# Altium PCB Aq1A_Guppy.PcbDoc
Units mm, origin at the board's own origin, x right, y up, seen from the top; angles counter-clockwise.
Board outline 105 x 55 mm, 2 copper layers (Top Layer, Bottom Layer); 45 components, 39 nets, 166 pads, 79 vias.
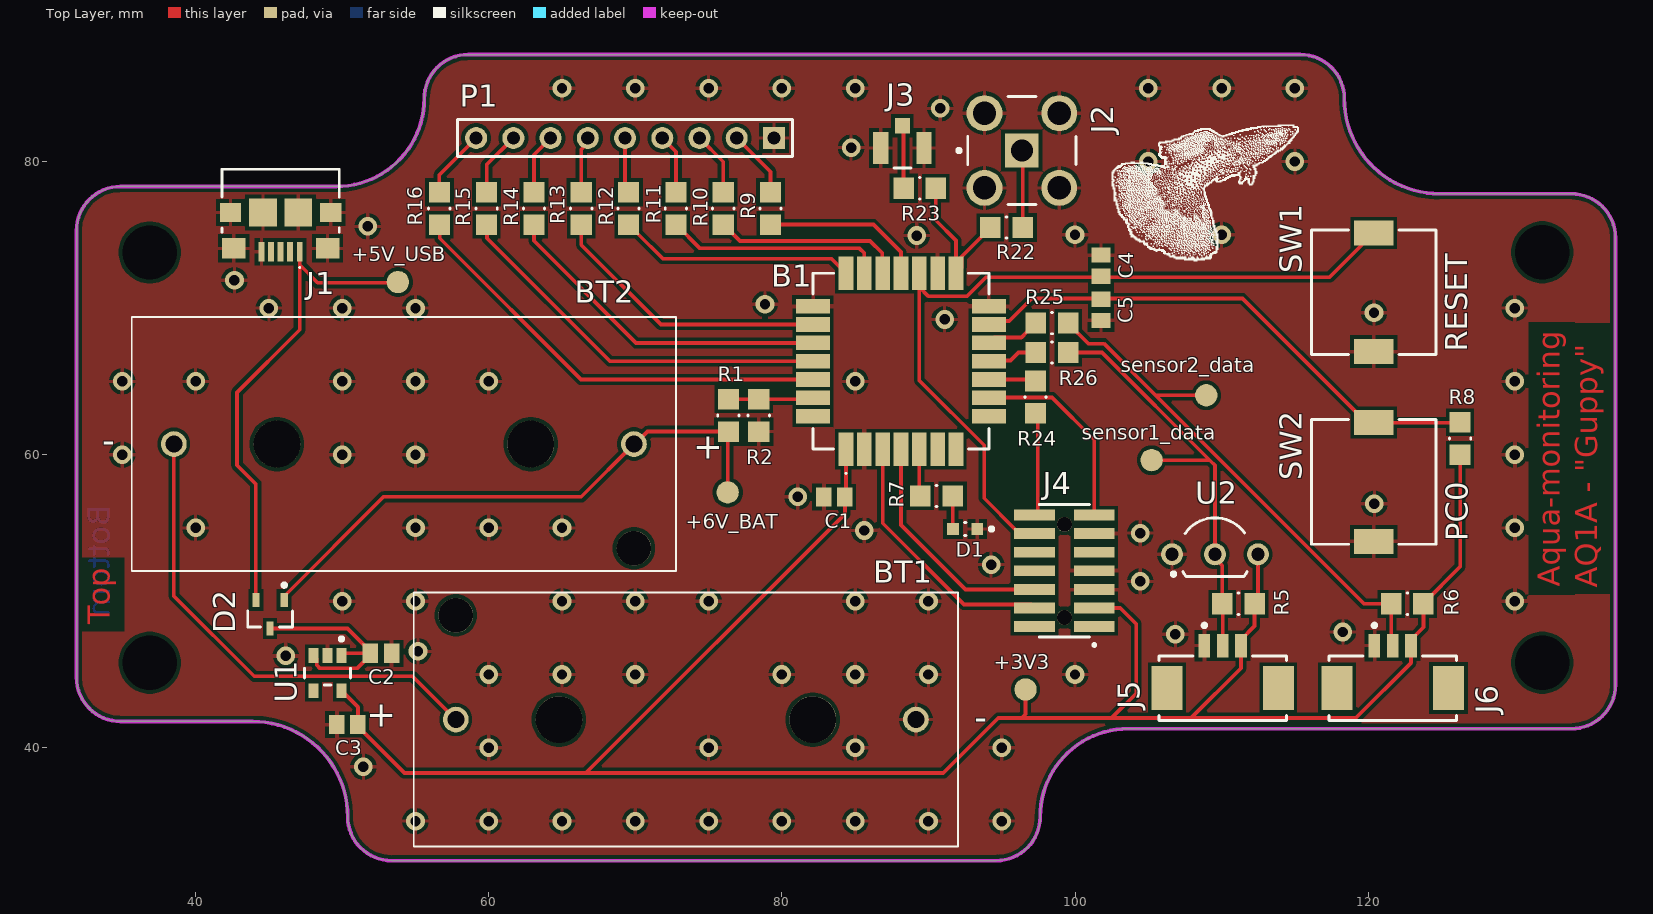
[diagram p0: Top Layer view]
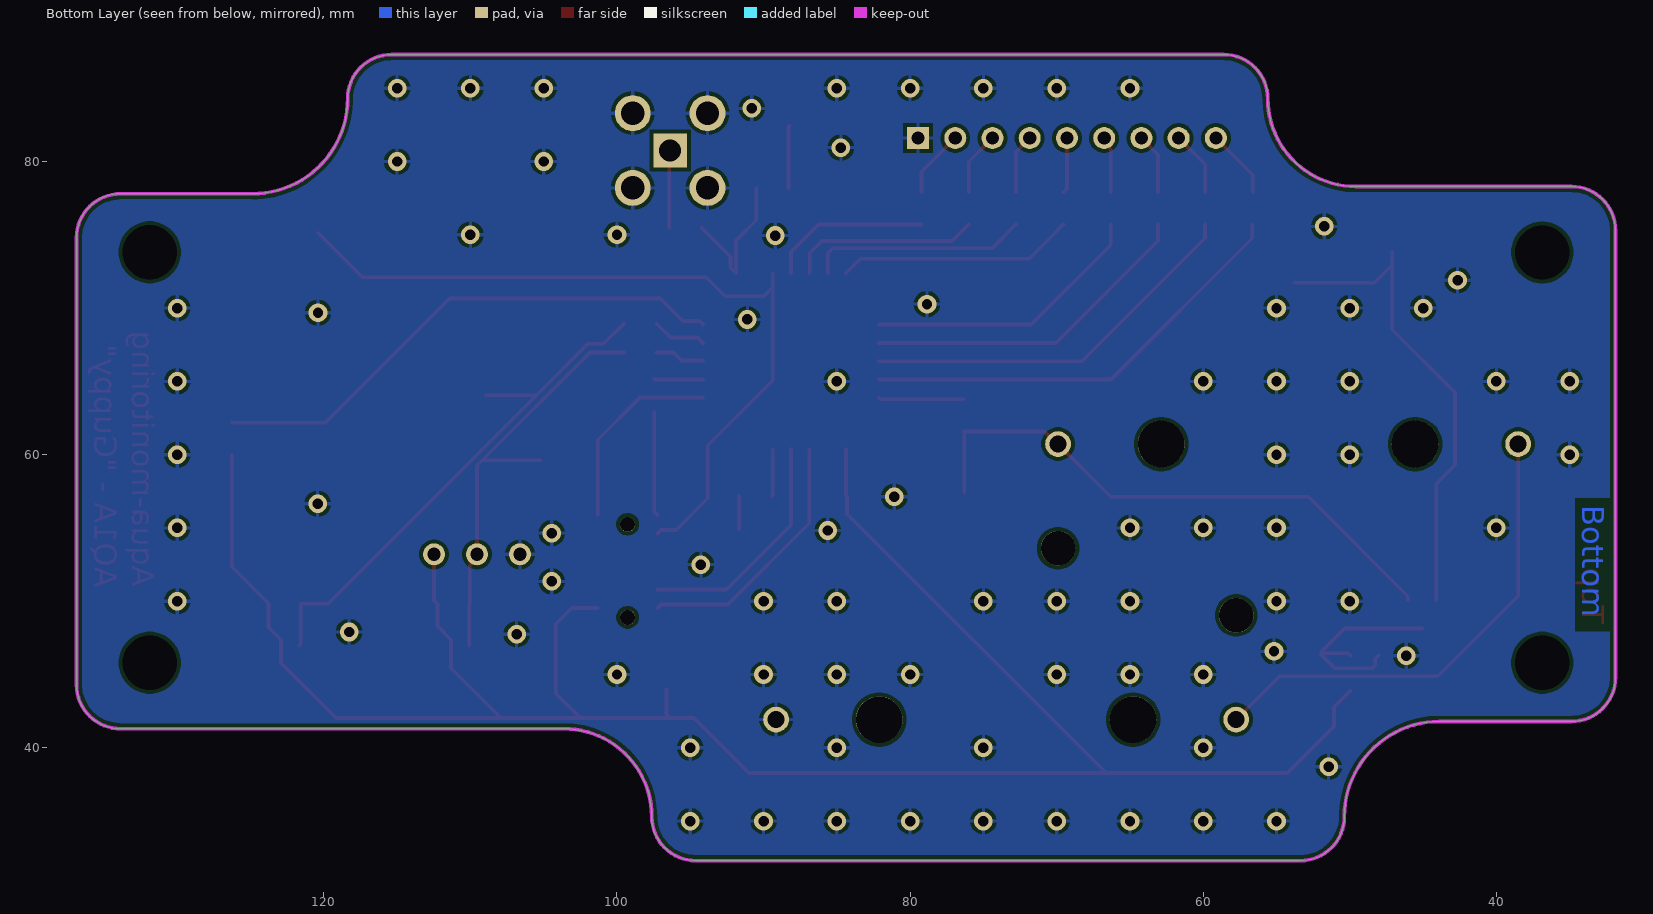
[diagram p1: Bottom Layer view, seen from below]
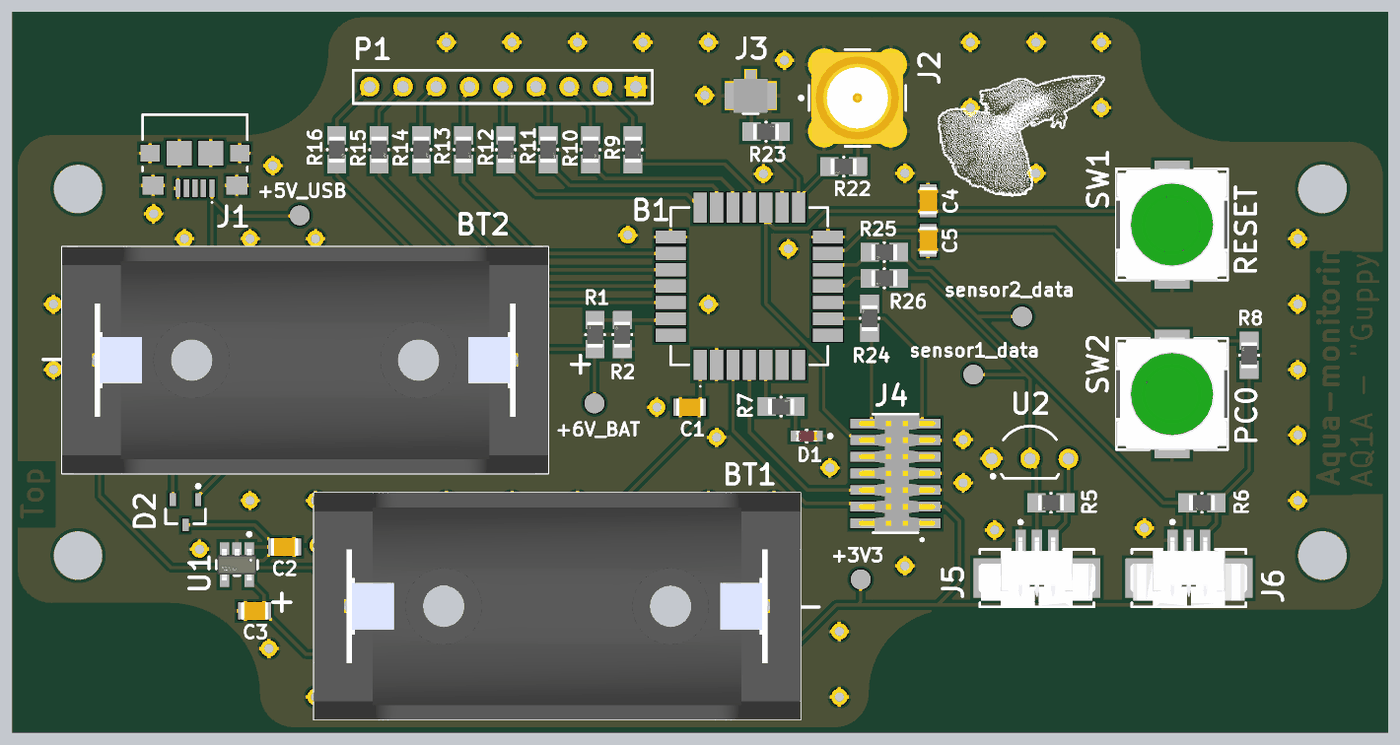
[diagram p2: 3D render of the assembled board from above, using the file's embedded part models]

## Layer stack, top to bottom
Top Solder: solder mask 0.0102, Solder Resist, Dk 3.5
Top Layer: signal copper 0.0356
Dielectric 1: dielectric 0.32, FR-4, Dk 4.8
Bottom Layer: signal copper 0.0356
Bottom Solder: solder mask 0.0102, Solder Resist, Dk 3.5

## Board outline
34.875,41.798 43.875,41.798 cw(c43.875,35.298) 50.375,35.298 ccw(c53.375,35.298) 53.375,32.298 94.625,32.298 94.625,32.3 ccw(c94.625,35.3) 97.625,35.3 cw(c103.625,35.3) 103.625,41.3 103.627,41.298 133.875,41.298 ccw(c133.875,44.298) 136.875,44.298 136.875,74.798 ccw(c133.875,74.798) 133.875,77.798 124.875,77.798 cw(c124.875,84.298) 118.375,84.298 ccw(c115.375,84.298) 115.375,87.298 58.6,87.298 58.6,87.3 ccw(c58.6,84.3) 55.6,84.3 cw(c49.6,84.3) 49.6,78.3 49.598,78.298 34.875,78.298 ccw(c34.875,75.298) 31.875,75.298 31.875,44.798 ccw(c34.875,44.798)

## Design rules (kind name [scope] priority, off if disabled: settings)
Clearance Clearance_1 [All] p1: gap=0.254 ignorepadtopadclearanceinfootprint=TRUE
PolygonConnect [All] p1: connectstyle=Relief reliefconductorwidth=0.254 reliefentries=4 polygonreliefangle="90 Angle" airgapwidth=0.254
RoutingVias [All] p1: holewidth=0.711 width=1.27 viastyle="Through Hole" minholewidth=0.711 minwidth=1.27 maxholewidth=0.711 maxwidth=1.27
SolderMaskExpansion [All] p1: expansion=0.102 istentingtop=FALSE
Width [All] p1: maxlimit=0.254 minlimit=0.254 preferedwidth=0.254
30 further rules are at their usual default settings.

## Components (designator, comment, footprint, x,y, rotation, side; value= is the part's Value field where it differs from the comment)
+3V3 "test_point" test_point 96.625,43.975 r90 top (schematic designator TP2)
+5V_USB "test_point" test_point 53.8,71.775 r90 top (schematic designator TP3)
+6V_BAT "test_point" test_point 76.3,57.425 r0 top (schematic designator TP1)
B1 "114993121" 114993121 88.125,66.375 r90 top
BT1 "BH-CR2-PC" BAT_BH-CR2-PC 73.45,41.925 r180 top
BT2 "BH-CR2-PC" BAT_BH-CR2-PC 54.21,60.725 r0 top
C1 "Capacitor 100 nF +/-10% 50 V 0805" CAPC2013X95X50LL10T25 83.575,57.125 r0 top value="100nF 10V"
C2 "Capacitor 100 nF +/-10% 50 V 0805" CAPC2013X95X50LL10T25 52.65,46.45 r180 top value="1uF 15V"
C3 "Capacitor 100 nF +/-10% 50 V 0805" CAPC2013X95X50LL10T25 50.35,41.575 r0 top value="2.2uF 10V"
C4 "Capacitor 100 nF +/-10% 50 V 0805" CAPC2013X95X50LL10T25 101.775,72.9 r270 top value="100nF 10V"
C5 "Capacitor 100 nF +/-10% 50 V 0805" CAPC2013X95X50LL10T25 101.775,69.875 r90 top value="100nF 10V"
D1 "SML-D12V8WT86C" FP-SML-D12-MFG 92.5,54.925 r180 top
D2 "PMEG2005CT,215" STM-BAT54CFILM-3_V 45.076,49.104 r270 top
J1 "1981568-1" TECO-1981568-5_V 45.8,73.85 r180 top
J2 "RF2-04A-T-00-50-G" FP-RF2-04A-T-00-50-G-MFG 96.375,80.75 r0 top
J3 "U.FL-R-SMT(10)" FP-U_FL-R-SMT_10-MFG 88.225,80.925 r0 top
J4 "FTSH-107-01-L-DV-K-A" SAMTEC_FTSH-107-01-L-DV-K-A 99.275,52.075 r90 top
J5 "53261-0371" FP-53261-0371-MFG 110.075,44.075 r0 top
J6 "53261-0371" FP-53261-0371-MFG 121.675,44.075 r0 top
P1 "Header 9" HDR1X9 79.46,81.6 r180 top
R1 "2.7k 1/16W" FP-HCJ0805-MFG 76.35,62.675 r90 top
R2 "3.3k 1/16W" FP-HCJ0805-MFG 78.425,62.675 r90 top
R5 "4.7k 1/16W" FP-HCJ0805-MFG 111.15,49.825 r180 top
R6 "4.7k 1/16W" FP-HCJ0805-MFG 122.675,49.825 r180 top
R7 "1k 1/16W" FP-HCJ0805-MFG 90.55,57.175 r0 top
R8 "1k 1/16W" FP-HCJ0805-MFG 126.275,61.1 r90 top
R9 "0" FP-HCJ0805-MFG 79.225,76.8 r270 top
R10 "0" FP-HCJ0805-MFG 75.997,76.8 r270 top
R11 "0" FP-HCJ0805-MFG 72.768,76.8 r270 top
R12 "0" FP-HCJ0805-MFG 69.54,76.8 r270 top
R13 "0" FP-HCJ0805-MFG 66.312,76.8 r270 top
R14 "0" FP-HCJ0805-MFG 63.084,76.8 r270 top
R15 "0" FP-HCJ0805-MFG 59.856,76.8 r270 top
R16 "0" FP-HCJ0805-MFG 56.628,76.8 r270 top
R22 "0" FP-HCJ0805-MFG 95.325,75.5 r180 top
R23 "0" FP-HCJ0805-MFG 89.4,78.175 r0 top
R24 "49R9 1/16W" FP-HCJ0805-MFG 97.3,63.925 r90 top
R25 "49R9 1/16W" FP-HCJ0805-MFG 98.425,68.975 r180 top
R26 "49R9 1/16W" FP-HCJ0805-MFG 98.425,66.975 r180 top
sensor1_data "test_point" test_point 105.225,59.625 r90 top (schematic designator TP4)
sensor2_data "test_point" test_point 108.95,64.05 r90 top (schematic designator TP5)
SW1 "SKSTAAE010" FP-SKSTAAE010-MFG 120.386,71.076 r90 top
SW2 "SKSTAAE010" FP-SKSTAAE010-MFG 120.386,58.136 r90 top
U1 "NCP114ASN330T1G" FP-483-MFG 49,45.1 r270 top
U2 "DS18B20" Q3+4 109.55,53.2 r270 top

## Footprints (in the part's own frame and the unit in brackets; to place one, negate y for a bottom-side part, rotate by r counter-clockwise, add the part's x,y. Pads: shape width x height; smd on the part's side, far side on the other; paste and mask are expansions set on the pad)
114993121 [mm]
  rect 2.3x1 smd: 1(-6,3.75) 2(-6,2.5) 3(-6,1.25) 4(-6,0) 5(-6,-1.25) 6(-6,-2.5) 7(-6,-3.75) 15(6,-3.75) 16(6,-2.5) 17(6,-1.25) 18(6,0) 19(6,1.25) 20(6,2.5) 21(6,3.75)
  rect 1x2.3 smd: 8(-3.75,-6) 9(-2.5,-6) 10(-1.25,-6) 11(0,-6) 12(1.25,-6) 13(2.5,-6) 14(3.75,-6) 22(3.75,6) 23(2.5,6) 24(1.25,6) 25(0,6) 26(-1.25,6) 27(-2.5,6) 28(-3.75,6)
  silkscreen extent -7.7,-6 6,6
BAT_BH-CR2-PC [mm]
  round 1.755 hole 1.17: N(-15.695,0) P(15.695,0)
  round 3.18 hole 3.18 unplated: ""(-8.66,0) ""(8.66,0)
  round 2.36 hole 2.36 unplated: ""(15.695,-7.11)
  silkscreen extent -18.56,-8.66 18.56,8.66, body extent -18.57,-8.66 18.56,8.66, height 15.24
CAPC2013X95X50LL10T25 [mm] "Chip Capacitor, 2-Leads, Body 2.10x1.35mm, IPC High Density"
  rect 1.05x1.3 smd: 1(-0.725,0) 2(0.725,0)
  body extent -1.05,-0.67 1.05,0.67, height 0.95
FP-483-MFG [mm]
  rect 1x0.7 smd paste+0 mask+0: 1(-1.2,0.95) 2(-1.2,0) 3(-1.2,-0.95) 4(1.2,-0.95) 5(1.2,0.95)
  silkscreen extent -2.45,-1.58 0.82,1.58, body extent -1.8,-1.83 1.8,1.83, height 0.25
FP-53261-0371-MFG [mm]
  rect 0.8x1.6 smd paste+0 mask+0: 1(-1.25,2.9) 2(0,2.9) 3(1.25,2.9)
  rect 2.1x3 smd paste+0 mask+0: 4(-3.8,0) 5(3.8,0)
  silkscreen extent -4.35,-2.2 4.35,4.4, body extent -4.95,-2.3 4.95,3.8, height 0.25
FP-HCJ0805-MFG [mm]
  rect 1.4x1.44 smd paste+0 mask+0: 1(-1.1,0) 2(1.1,0)
  silkscreen extent -0.03,-0.72 0.03,0.72, body extent -1.9,-0.82 1.9,0.82, height 0.25
FP-RF2-04A-T-00-50-G-MFG [mm]
  rect 2.3x2.3 hole 1.5 paste-2539.97 mask+0: 1(0,0)
  round 2.45 hole 1.6 paste-2539.97 mask+0: 2(-2.55,2.55) 3(2.55,2.55) 4(-2.55,-2.55) 5(2.55,-2.55)
  silkscreen extent -4.42,-3.7 3.7,3.7, body extent -3.88,-3.88 3.88,3.88, height 0.25
FP-SKSTAAE010-MFG [mm]
  rect 1.7x2.7 smd paste+0 mask+0: 1(-4.05,0) 2(4.05,0)
  silkscreen extent -4.25,-4.25 4.25,4.25, body extent -5,-4.35 5,4.35, height 0.25
FP-SML-D12-MFG [mm]
  rect 0.8x0.8 smd paste+0 mask+0: 1(-0.825,0) 2(0.825,0)
  silkscreen extent -1.92,-0.45 0.05,0.45, body extent -1.33,-0.55 1.33,0.55, height 0.25
FP-U_FL-R-SMT_10-MFG [mm]
  rect 1x1.05 smd paste-1000 mask+0: 1(0,1.525)
  rect 1.05x2.2 smd paste-1000 mask+0: 2(-1.475,0) 3(1.475,0)
  silkscreen extent -0.58,-1.38 0.58,-1.38, body extent -2.1,-1.48 2.1,2.15, height 0.25
HDR1X9 [mm] "Connector; Header; 9 Position"
  rect 1.5x1.5 hole 0.9: 1(0,0)
  round 1.5 hole 0.9: 2(2.54,0) 3(5.08,0) 4(7.62,0) 5(10.16,0) 6(12.7,0) 7(15.24,0) 8(17.78,0) 9(20.32,0)
  silkscreen extent -1.27,-1.27 21.59,1.27
Q3+4 [mm] "TO, Flat Index; 3 In-Line, Formed Axial Leads; Body Dia. 4.7mm; Leads 0.56 x 0.51 mm (max)"
  round 1.5 hole 0.9: 1(0,-2.93) 2(0,0) 3(0,2.93)
  silkscreen extent -2.49,-2.95 1.5,2.19, body extent -2.48,-2.5 1.5,2.5, height 9.4
SAMTEC_FTSH-107-01-L-DV-K-A [mm]
  rect 0.74x2.79 smd: 01(-3.81,-2.035) 02(-3.81,2.035) 03(-2.54,-2.035) 04(-2.54,2.035) 05(-1.27,-2.035) 06(-1.27,2.035) 07(0,-2.035) 08(0,2.035) 09(1.27,-2.035) 10(1.27,2.035) 11(2.54,-2.035) 12(2.54,2.035) 13(3.81,-2.035) 14(3.81,2.035)
  round 1.02 hole 1.02 unplated mask+0.051: ""(-3.175,0) ""(3.175,0)
  silkscreen extent -5.16,-2.13 4.53,1.72, body extent -4.44,-3.05 4.44,2.79, height 5.96
STM-BAT54CFILM-3_V [mm] "SOT23, 3-Leads, Body 3.04x1.75mm, Pitch 0.97mm"
  rect 0.95x0.48 smd: 1(-0.97,0.97) 2(-0.97,-0.97) 3(0.97,0)
  silkscreen extent -2.12,-1.52 0.87,1.52, body extent -0.87,-1.52 0.87,1.52, height 1.4
TECO-1981568-5_V [mm] "SMD, 5-Leads, Body 8x5.9mm, Pitch 0.65mm"
  rect 0.4x1.35 smd: 1(-1.3,0) 2(-0.65,0) 3(0,0) 4(0.65,0) 5(1.3,0)
  rect 1.6x1.4 smd: 6(-3.2,-0.225) 7(3.2,-0.225)
  rect 1.45x1.3 smd: 8(-3.425,-2.675) 9(3.425,-2.675)
  rect 1.9x1.9 smd: 10(-1.2,-2.675) 11(1.2,-2.675)
  silkscreen extent -4,-5.63 4,1.12, body extent -4,-5.63 4,0.28, height 3
test_point [mil]
  round 60 smd: 0(0,0)

## Part data
B1: "General ISM < 1GHz LoRaWAN Transceiver Module 868MHz, 915MHz Antenna Not Included Surface Mount", Manufacturer_Name="Seeed Studio", Mouser Part Number=713-114993121, Datasheet Link=https://files.seeedstudio.com/products/114993120/Wio-E5-LE%20module%20datasheet_v1.0.pdf, Geometry.Height=2.7mm, Manufacturer_Part_Number=114993121, Mouser Price/Stock=https://www.mouser.co.uk/ProductDetail/Seeed-Studio/114993121?qs=QpmGXVUTftF1SD6oRXq2Mw%3D%3D
BT1 BT2: "BATTERY HOLDER CR2 PC PIN", Package=None, Availability=Bad, Check_prices=https://www.snapeda.com/parts/BH-CR2-PC/MPD/view-part/4389079/?ref=eda, MF=MPD, MP=BH-CR2-PC, Price=None, SnapEDA_Link=https://www.snapeda.com/parts/BH-CR2-PC/MPD/view-part/4389079/?ref=snap
C1 C2 C3 C4 C5: library part CMP-001-00018-6, "Chip Capacitor, 100 nF, +/- 10%, 50 V, 0805 (2012 Metric)", Capacitor Type=Ceramic, Case/Package=0805, Max Operating Temperature=125°C, Min Operating Temperature=-55°C, Tolerance=10%, Voltage Rating=50V, Mounting Technology=SM, Pins=2, RoHS Compliant=True
D1: library part CMP-08952-000027-1, "LED RED 1608 SMD", Case Code (Imperial)=0603, Case Code (Metric)=1608, Color=Red, Forward Voltage=2.2V, Lens Color=White, Test Current=20mA, Case/Package=0603, Dominant Wavelength=630nm, Height=0.65mm, Length=1.6mm, Lens Size=0.8mm, Lens Style=Flat, Luminous Intensity=40mcd, Mount="Surface Mount", Packaging="Tape and Reel", Width=0.8mm
D2: library part CMP-2000-05362-1, "Small Signal Schottky Diode, 40 V, -40 to 150 degC, 3-Pin SOT23, RoHS, Tape and Reel", Diode Case Style=SOT-23, Forward Current If(AV)=300mA, Forward Surge Current Ifsm Max=1A, Forward Voltage VF Max=900mV, Manufacturer=STMicroelectronics, Operating Temperature Max=150degC, Package Description="3-Pin Small OutLine Transistor, Body 2.895 x 1.475 mm, Height 1.4 mm", Package Reference=BAT54CFILM-3, Repetitive Reverse Voltage Vrrm Max=30V, Automotive Qualification Standard=-, Datasheet URL=http://www2.st.com/content/ccc/resource/technical/document/datasheet/07/50/54/f2/0d/ba/4a/79/CD00001322.pdf/files/CD00001322.pdf/jcr:content/translations/en.CD00001322.pdf, Datasheet Version="Rev. 11, 02/2015", Diode Configuration=DualCommonCathode, Manufacturer URL=http://www.st.com/, No. of Pins=3Pins, Package URL=http://www2.st.com/content/ccc/resource/technical/document/datasheet/07/50/54/f2/0d/ba/4a/79/CD00001322.pdf/files/CD00001322.pdf/jcr:content/translations/en.CD00001322.pdf, Packaging=CutTape, Product Range=BAT54Series, SVHC=NoSVHC(17-Dec-2015)
J1: library part CMP-2000-05408-1, "Micro USB Receptacle Standard Type B Assy, 5-Pin SMD, RoHS, Tape and Reel", Current Rating (Max)=1/ContactA, Manufacturer="TE Connectivity", Operating Temp Range=-55Cto85C, Operating Temperature Max Deg. C=85C, Operating Temperature Min Deg. C=-55C, Voltage Rating Max=30VAC, Body Orientation=RightAngle, Contact Material=CopperAlloy, Contact Plating=GoldOverNickel, Datasheet URL=http://www.mouser.com/ds/2/418/NG_CD_1981568_E2-621296.pdf, Datasheet Version="Rev. E2, 08/2015", Gender=RCP, Housing Material=Thermoplastic, Manufacturer URL=http://www.te.com/, Mounting Style=SurfaceMount, Number of Contacts=5POS, Number of Ports=1Port, Number of Terminals=5, Packaging=TapeandReel, Pitch (mm)=0.65mm, Product Depth (mm)=5.6mm, Product Height (mm)=3mm, Product Length (mm)=8mm, Termination Method=Solder, Type=MicroUSB
J2: library part CMP-42753-000002-1, "CONN SMA JACK STR 50 OHM PCB"
J3: library part CMP-0029-00003-2, "CONN U.FL RCPT STR 50 OHM SMD", Case/Package=SMD/SMT, Dielectric Material=Polymer, Frequency=6GHz, Housing Color=Beige, Max Operating Temperature=90°C, Min Operating Temperature=-40°C, Package Quantity=1, Body Material=Bronze, Body Plating=Silver, Connector Type=Coaxial, Contact Material=Brass, Contact Plating=Gold, Depth=3.1mm, Fastening Type=Snap, Impedance=50R, Lead Free="Lead Free", Length=3mm, Max Frequency=6GHz, Mount="Surface Mount", Orientation=Vertical, Packaging="Tape and Reel", Plating=Silver, Radiation Hardening=No, Termination=Solder
J4: "Connector Header Surface Mount 14 position 0.050 (1.27mm)", Package=None, Check_prices=https://www.snapeda.com/parts/FTSH-107-01-L-DV-K-A/Samtec+Inc./view-part/?ref=eda, MF="Samtec Inc.", MP=FTSH-107-01-L-DV-K-A, SnapEDA_Link=https://www.snapeda.com/parts/FTSH-107-01-L-DV-K-A/Samtec+Inc./view-part/?ref=snap
J5 J6: library part CMP-04776-000071-1, "CONN HEADER SMD R/A 3POS 1.25MM", Ambient Temperature Range High=+105°C, Ambient Temperature Range Low=-40°C, Current Rating=1A, Manufacturer=Molex, Package=0, Temperature="-40°C to +105°C", Voltage Rating=125V, Automotive=No, Category=Conn, ComponentLink2Description=Datasheet, ComponentLink2URL=https://www.molex.com/webdocs/datasheets/pdf/en-us/0532610371_PCB_HEADERS.pdf, Conn Gender=Male, Conn Orientation="Right Angle", Contact Material=Tin,Nickel, Device Class L1=Connectors, Device Class L2="Headers and Wire Housings", Device Class L3=unset, Digikey Description="CONN HEADER SMD R/A 3POS 1.25MM", Footprint Url=https://www.molex.com/pdm_docs/sd/532610371_sd.pdf, Height=3.6mm, Lead Free=Yes, Manufacturer Part Number=53261-0371, Mouser Description="1.25mm (.049\") Pitch PicoBlade Header, Surface Mount, Right Angle, Lead-free, 3 Circuits", Number of Contacts=3, Number of Rows=1, Octopart=https://octopart.com/53261-0371-molex-655314, Pitch=1.25mm, RoHS=TRUE, Temperature Range High=+105°C, Temperature Range Low=-40°C
P1: "Header, 9-Pin", LatestRevisionDate=17-Jul-2002, LatestRevisionNote="Re-released for DXP Platform.", Publisher="Altium Limited"
R1 R2 R5 R6 R7 R8 R9 R10 R11 R12 R13 R14 R15 R16 R22 R23 R24 R25 R26: library part CMP-26527-000104-1, "RES 0 OHM JUMPER 1/2W 0805", Case Code (Imperial)=0805, Case Code (Metric)=2012, Max Operating Temperature=155°C, Min Operating Temperature=-55°C, Package Quantity=1, Resistance=0mR, Case/Package=0805, Height=0.026inch, Lead Free="Lead Free", Length=0.079inch, Mount="Surface Mount", Number of Terminations=2, Packaging="Tape and Reel", Radiation Hardening=No, RoHS Compliant=Yes, Termination=Wraparound, Width=0.049inch
SW1 SW2: library part CMP-24311-000002-1, "Tactile Switches Quiet 0.9mm Middle Stroke, 4N,500KCycle", Lead Free="Lead Free"
U1: library part CMP-07128-000001-1, "IC REG LINEAR 3.3V 300MA 5TSOP", Dropout Voltage=150mV, Manufacturer="ON Semiconductor", Max Junction Temp=+150°C, Max Supply Voltage=5.5V, Min Supply Voltage=1.7V, Nominal Supply Current=50uA, Output Current=300mA, Output Voltage=3.3V, Package=483, Temperature="to +150°C", Accuracy Percentage=1%, Automotive=No, Category=IC, ComponentLink2Description=Datasheet, ComponentLink2URL=https://www.onsemi.com/pub/Collateral/NCP114-D.PDF, Device Class L1="Integrated Circuits (ICs)", Device Class L2="Power Management ICs", Device Class L3="Voltage Regulators - Linear", Digikey Description="IC REG LINEAR 3.3V 300MA 5TSOP", Footprint Url=https://www.onsemi.com/pub/Collateral/483.PDF, Height=1.1mm, Lead Free=Yes, Manufacturer Part Number=NCP114ASN330T1G, Number Of Outputs=1, Octopart=https://octopart.com/ncp114asn330t1g-on+semiconductor-74628742, Output Type=Fixed, RoHS=TRUE, Standoff Height=0.01mm, Temperature Range High=+150°C
U2: library part CMP-0253-00002-1, "High-Precision Parasite-Power Digital Thermometer, 1-Wire Interface, ±0.5°C Accuracy, 3-Pin TO92, -55°C to +125°C, Tape and Reel, Pb-Free", Code_JEDEC=TO-226-AA, ComponentLink1Description="Manufacturer URL", ComponentLink1URL=http://www.maxim-ic.com, ComponentLink2Description=Datasheet, ComponentLink2URL=http://datasheets.maxim-ic.com/en/ds/DS18B20-PAR.pdf, DatasheetVersion=2007, PackageDescription="TO-92 Package, Formed Leads, Body Dia. 4.7mm; Leads 0.51 x 0.51 mm (max), Pb-Free", PackageReference=Q3+4, PackageVersion="revB, 2010"

## Free pads (board coordinates)
  round 1.524 hole 3.7: 11(36.875,45.798) 12(36.875,73.798) 13(131.875,73.804) 14(131.875,45.804)

## Via types
v1: diameter 1.27, hole 0.711, Top Layer to Bottom Layer, 79 vias

## Nets (pads, with @x,y where several pads share a name; then routed paths per layer and width w, separated by ;. In a path a pad name is that pad's centre, name@x,y a point inside that pad or via, vN(x,y) a via of type N, cw(c..) or ccw(c..) an arc to the next point about the centre after c; other vN are vias at no path point)
+3V3: +3V3.0 B1.1 C1.2 C3.2 J4.03 J5.3 J6.3 R5.1 R6.1 R8.1 U1.5 U2.3 | length 149.7
  Top Layer w0.254: U1.5 51.075,42.775 C3.2@51.075,41.625 ; C3.2 51.075,41.45 54.25,38.275 66.625,38.275 ; B1.1 84.375,57.2 C1.2 84.3,55.95 66.625,38.275 ; +3V3.0 96.625,42.283 96.367,42.025 ; J4.03 103.086,49.535 104.175,48.446 104.175,43.708 102.492,42.025 ; U2.3 112.48,50.055 R5.1 112.25,48.3 111.325,47.375 J5.3 111.325,45.433 107.917,42.025 ; R8.1 126.275,52.345 123.775,49.845 R6.1 123.775,48.225 122.925,47.375 J6.3 122.925,45.794 119.156,42.025 107.917,42.025 ; 66.625,38.275 91.015,38.275 94.766,42.025 96.367,42.025 ; 96.367,42.025 102.492,42.025 ; 102.492,42.025 107.917,42.025
+5V_USB: +5V_USB.0 D2.2 J1.1 | length 33.3
  Top Layer w0.254: D2.2 44.106,57.993 42.825,59.274 42.825,64.241 47.1,68.516 47.1,72.95 ; J1.1 47.1,72.95 ; +5V_USB.0@53.8,71.725 48.325,71.725 47.1,72.95
+6V_BAT: +6V_BAT.0 BT2.P D2.1 R1.1 | length 39.4
  Top Layer w0.254: D2.1 46.046,50.346 52.825,57.125 66.305,57.125 BT2.P 69.985,60.725 70.835,61.575 R1.1 76.3,61.525 +6V_BAT.0
BAT_adc_in: B1.27 R1.2 R2.2 | length 5.8
  Top Layer w0.254: R1.2 R2.2 82.025,63.775 B1.27
dbg_uart_RX: B1.9 J4.13 | length 13.5
  Top Layer w0.254: B1.9 94.156,63.906 98.428,63.906 101.31,61.024 J4.13
dbg_uart_TX: J4.14 R24.1 | length 7.1
  Top Layer w0.254: J4.14 97.45,56.095 R24.1@97.45,62.925
GND: B1.2 B1.14 B1.16 B1.22 BT1.N C1.1 C2.1 C3.1 C4.1 C5.1 D1.1 J1.5 J1.6 J1.7 J1.8 J1.9 J1.10 J1.11 J2.2 J2.3 J2.4 J2.5 J3.2 J3.3 J4.05 J4.07 J4.11 J5.1 J6.1 P1.1 R2.1 SW1.1 SW2.1 U1.2 U2.1
  other v1: 55,35 60,35 65,35 70,35 75,35 80,35 85,35 90,35 95,35 51.45,38.7 60,40 75,40 85,40 95,40 60,45 65,45 70,45 80,45 85,45 90,45 100,45 46.15,46.275 55.175,46.575 106.85,47.75 118.275,47.9 50,50 55,50 65,50 70,50 75,50 85,50 90,50 130,50 104.45,51.35 94.275,52.5 104.45,54.65 85.625,54.825 40,55 55,55 60,55 65,55 130,55 120.425,56.65 81.075,57.125 35,60 50,60 55,60 130,60 35,65 40,65 50,65 55,65 60,65 85,65 130,65 91.1,69.225 120.4,69.675 45,70 50,70 55,70 130,70 78.85,70.275 42.65,71.9 89.2,74.95 100,75 110,75 51.75,75.575 105,80 115,80 84.725,80.95 90.8,83.625 65,85 70,85 75,85 80,85 85,85 105,85 110,85 115,85
NetB1_10: B1.10 R24.2 | length 3.3
  Top Layer w0.254: B1.10 R24.2@97.45,65.125
NetB1_11: B1.11 R26.2 | length 3.4
  Top Layer w0.254: B1.11 94.167,66.417 95.592,66.417 96.15,66.975 R26.2
NetB1_12: B1.12 R25.2 | length 3.8
  Top Layer w0.254: B1.12 94.49,67.99 96.34,67.99 96.732,68.382 96.752,68.382 97.325,68.955 R25.2
NetBT1_P: BT1.P BT2.N | length 33.1
  Top Layer w0.254: BT2.N 38.515,50.36 44,44.875 54.805,44.875 BT1.P
NetC2_2: C2.2 D2.3 U1.1 U1.3 | length 14.7
  Top Layer w0.254: D2.3 50.366,48.134 51.925,46.575 C2.2 ; U1.3 48.269,46.081 48.269,45.642 48.492,45.419 51.019,45.419 51.925,46.325 C2.2 ; U1.1 50.1,46.45 C2.2
NetD1_2: D1.2 R7.2 | length 2.3
  Top Layer w0.254: R7.2 91.65,54.95 D1.2
NetJ2_1: J2.1 R22.1 | length 5.3
  Top Layer w0.254: J2.1 96.425,80.7 R22.1
NetJ3_1: J3.1 R23.1 | length 4.3
  Top Layer w0.254: J3.1 88.3,82.375 R23.1
NetP1_2: P1.2 R9.1 | length 4.7
  Top Layer w0.254: P1.2 79.225,79.295 R9.1
NetP1_3: P1.3 R10.1 | length 4.4
  Top Layer w0.254: P1.3 75.997,79.983 R10.1
NetP1_4: P1.4 R11.1 | length 4.1
  Top Layer w0.254: P1.4 72.768,80.672 R11.1
NetP1_5: P1.5 R12.1 | length 3.8
  Top Layer w0.254: P1.5 69.3,78.14 R12.1
NetP1_6: P1.6 R13.1 | length 3.9
  Top Layer w0.254: R13.1 66.312,80.815 66.76,81.263 P1.6
NetP1_7: P1.7 R14.1 | length 4.2
  Top Layer w0.254: R14.1 63.084,80.464 P1.7
NetP1_8: P1.8 R15.1 | length 4.5
  Top Layer w0.254: R15.1 59.856,79.776 P1.8
NetP1_9: P1.9 R16.1 | length 4.7
  Top Layer w0.254: R16.1 56.628,79.088 P1.9
NRST: B1.17 C4.2 J4.12 SW1.2 | length 54.7
  Top Layer w0.254: B1.17 B1.17@89.375,71.436 ; J4.12 96.997,54.858 95.963,54.858 93.8,57.021 93.8,60.639 89.375,65.064 B1.17@89.375,71.436 ; SW1.2 117.368,72.108 93.919,72.108 92.611,70.8 90.011,70.8 B1.17@89.375,71.436
PA0: B1.23 R13.2 | length 19.5
  Top Layer w0.254: R13.2 66.312,74.313 71.75,68.875 B1.23
PA2: B1.19 R10.2 | length 13
  Top Layer w0.254: R10.2 76.017,75.7 77.134,74.583 86.017,74.583 86.843,73.757 86.843,72.407 B1.19
PA3: B1.18 R9.2 | length 11.1
  Top Layer w0.254: R9.2 86.246,75.7 88.125,73.821 B1.18
PA9: B1.21 R12.2 | length 16.2
  Top Layer w0.254: R12.2 69.56,75.7 70.133,75.127 70.133,75.107 71.865,73.375 83.375,73.375 B1.21
PB9: B1.25 R15.2 | length 26.7
  Top Layer w0.254: R15.2 59.882,75.674 59.882,74.768 68.275,66.375 B1.25
PB10: B1.20 R11.2 | length 15
  Top Layer w0.254: R11.2 72.788,75.7 74.413,74.075 85.3,74.075 85.618,73.757 85.618,72.382 B1.20
PB13: B1.24 R14.2 | length 23
  Top Layer w0.254: R14.2 63.084,74.591 70.05,67.625 B1.24
PB14: B1.26 R16.2 | length 30.4
  Top Layer w0.254: R16.2 56.657,75.67 56.657,74.768 66.3,65.125 B1.26
PB15: B1.5 R7.1 | length 3.2
  Top Layer w0.254: B1.5 89.375,57.25 R7.1
PC0: B1.13 C5.2 R8.2 SW2.2 | length 36.4
  Top Layer w0.254: B1.13 94.366,69.116 95.507,69.116 97.041,70.65 103.575,70.65 111.425,70.65 119.163,62.912 119.163,62.909 119.886,62.186 126.261,62.186 R8.2
RFIO: B1.15 R22.2 R23.2 | length 10.5
  Top Layer w0.254: R23.2 90.5,75.993 91.875,74.618 B1.15 92.248,72.748 92.248,73.503 94.225,75.48 R22.2
sensor1_data: J5.2 R5.2 R26.1 sensor1_data.0 U2.2 | length 29.7
  Top Layer w0.254: R26.1 101.85,66.975 109.2,59.625 ; sensor1_data.0 109.2,59.625 ; J5.2 110.075,49.8 R5.2 110.05,52.428 109.55,52.928 U2.2 109.55,59.275 109.2,59.625
sensor2_data: J6.2 R6.2 R25.1 sensor2_data.0 | length 36.3
  Top Layer w0.254: R25.1 99.525,68.955 100.905,67.575 101.968,67.575 105.493,64.05 ; sensor2_data.0 105.493,64.05 ; J6.2 121.575,47.075 R6.2 119.718,49.825 105.493,64.05
SWCLK: B1.4 J4.06 | length 16.1
  Top Layer w0.254: B1.4 88.125,55.2 92.52,50.805 J4.06
SWDIO: B1.3 J4.04 | length 17.8
  Top Layer w0.254: B1.3 86.875,55.325 92.422,49.778 96.997,49.778 J4.04
pads on no net: B1.6 B1.7 B1.8 B1.28 BT1. BT2. J1.2 J1.3 J1.4 J4. J4.01 J4.02 J4.08 J4.09 J4.10 J5.4 J5.5 J6.4 J6.5 U1.4

## Polygon pours and split planes (outlines as drawn)
GND on Bottom Layer "GND_L02_P002" (solid, pour order 2): 34.882,41.791 43.882,41.791 cw(c43.882,35.291) 50.382,35.291 ccw(c53.382,35.291) 53.382,32.291 94.632,32.291 94.632,32.293 ccw(c94.632,35.293) 97.632,35.293 cw(c103.632,35.293) 103.632,41.293 103.634,41.291 133.882,41.291 ccw(c133.882,44.291) 136.882,44.291 136.882,74.791 ccw(c133.882,74.791) 133.882,77.791 124.882,77.791 cw(c124.882,84.291) 118.382,84.291 ccw(c115.382,84.291) 115.382,87.291 58.607,87.291 58.607,87.293 ccw(c58.607,84.293) 55.607,84.293 cw(c49.607,84.293) 49.607,78.293 49.606,78.291 34.882,78.291 ccw(c34.882,75.291) 31.882,75.291 31.882,44.791 ccw(c34.882,44.791)
GND on Top Layer "GND_L01_P000" (solid, remove dead copper, pour order 0): 34.882,41.791 43.882,41.791 cw(c43.882,35.291) 50.382,35.291 ccw(c53.382,35.291) 53.382,32.291 94.632,32.291 94.632,32.293 ccw(c94.632,35.293) 97.632,35.293 cw(c103.632,35.293) 103.632,41.293 103.634,41.291 133.882,41.291 ccw(c133.882,44.291) 136.882,44.291 136.882,74.791 ccw(c133.882,74.791) 133.882,77.791 124.882,77.791 cw(c124.882,84.291) 118.382,84.291 ccw(c115.382,84.291) 115.382,87.291 58.607,87.291 58.607,87.293 ccw(c58.607,84.293) 55.607,84.293 cw(c49.607,84.293) 49.607,78.293 49.606,78.291 34.882,78.291 ccw(c34.882,75.291) 31.882,75.291 31.882,44.791 ccw(c34.882,44.791)

## Keep-outs
Keep-Out Layer:
  lines w0.254: 49.598,78.298 34.875,78.298 ccw(c34.875,75.298) 31.875,75.298 31.875,44.798 ccw(c34.875,44.798) 34.875,41.798 43.875,41.798 cw(c43.875,35.298) 50.375,35.298 ccw(c53.375,35.298) 53.375,32.298 94.625,32.298 ; 49.6,78.3 ccw(c49.6,84.3) 55.6,84.3 cw(c58.6,84.3) 58.6,87.3 ; 58.6,87.298 115.375,87.298 cw(c115.375,84.298) 118.375,84.298 ccw(c124.875,84.298) 124.875,77.798 133.875,77.798 cw(c133.875,74.798) 136.875,74.798 136.875,44.298 cw(c133.875,44.298) 133.875,41.298 103.627,41.298 ; 94.625,32.3 ccw(c94.625,35.3) 97.625,35.3 cw(c103.625,35.3) 103.625,41.3

## Other copper
Top Layer:
  text "Aqua-monitoring" at 133.067,50.975 h1.52 r90
  text "AQ1A - \"Guppy\"" at 135.617,50.925 h1.52 r90
  text "Top" at 34.138,48.429 h1.52 r90
Bottom Layer:
  text "Bottom" at 34.146,56.546 h1.52 r90

## Silkscreen, mask and mechanical layers (free items; w line width, h text height)
Top Overlay:
  drawing of 1422 lines, arcs and shapes, not listed
  text "RESET" at 126.771,67.029 h1.52 r90
  text "PC0" at 126.796,54.079 h1.52 r90
Mechanical 1:
  drawing of 1273 lines, arcs and shapes, not listed

## Text inside footprints (layer, text, board x,y; h text height)
BT1: Top Overlay "-" at 94.024,42.56 h1.78 r180; Top Overlay "+" at 53.7,42.925 h1.78 r180; Mechanical 13 "-" at 94.024,42.56 h1.78 r180; Mechanical 13 "+" at 53.7,42.925 h1.78 r180
BT2: Top Overlay "-" at 33.636,60.09 h1.78; Top Overlay "+" at 73.96,59.725 h1.78; Mechanical 13 "-" at 33.636,60.09 h1.78; Mechanical 13 "+" at 73.96,59.725 h1.78